# Altium PCB HGT-300.PcbDoc (part 1 of 3)
Units mil, origin at the board's own origin, x right, y up, seen from the top; angles counter-clockwise.
Board outline 10039.37 x 5590.55 mil, 2 copper layers (Top Layer, Bottom Layer); 434 components, 232 nets, 1287 pads, 266 vias.
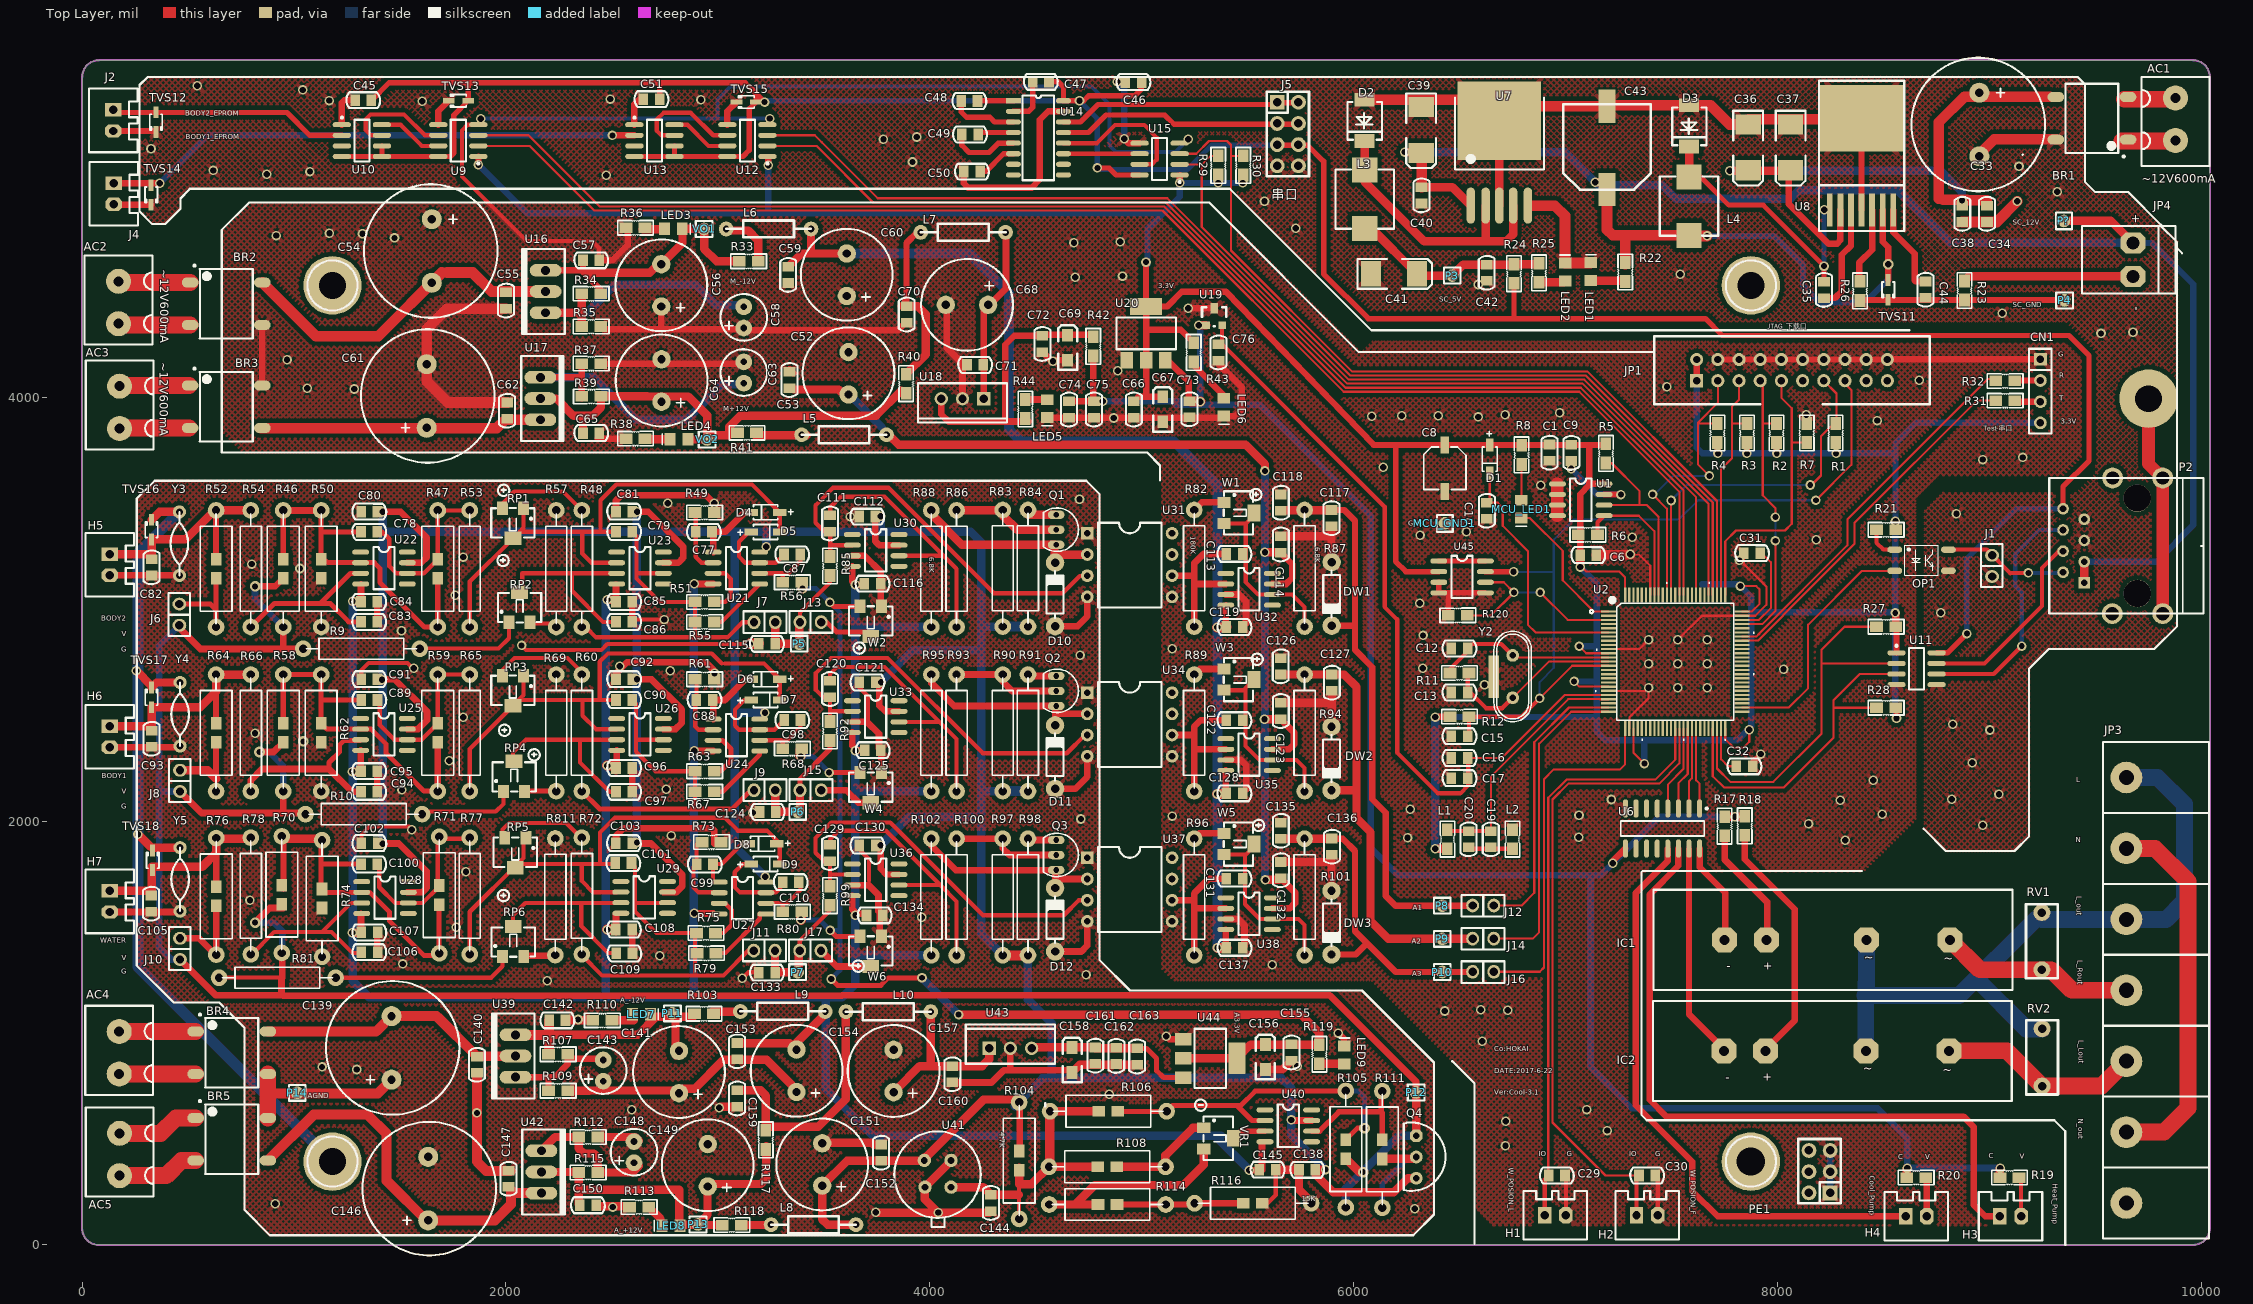
[diagram p0: Top Layer view]
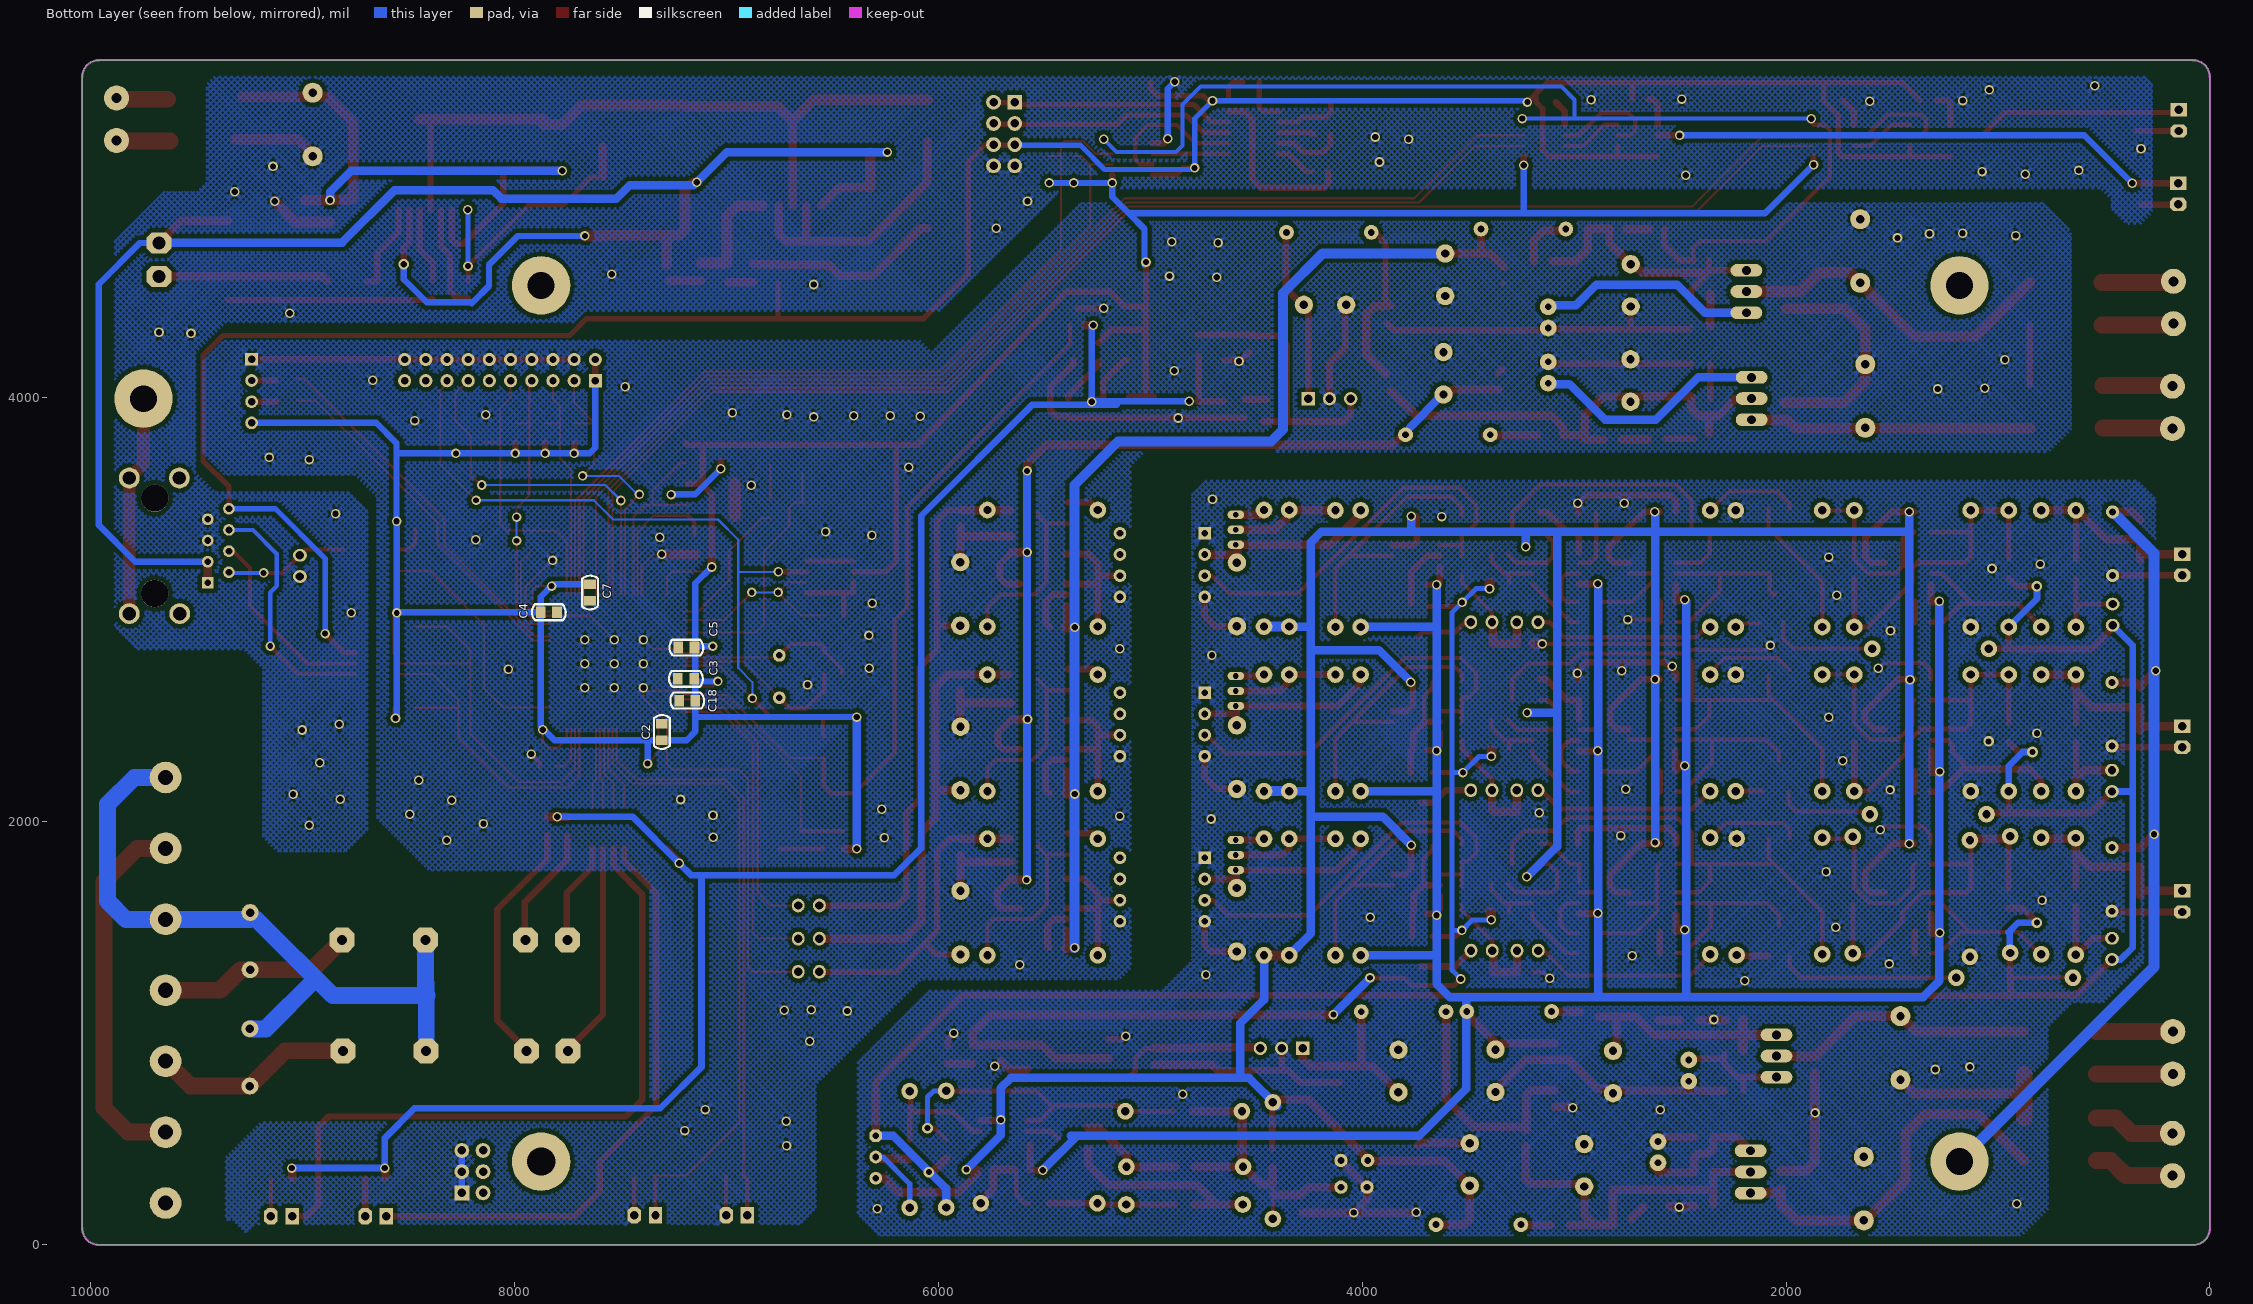
[diagram p1: Bottom Layer view, seen from below]

## Layer stack, top to bottom
Top Solder: solder mask 0.4, Solder Resist, Dk 3.5
Top Layer: signal copper 1.4
Dielectric1: dielectric 12.6, FR-4, Dk 4.8
Bottom Layer: signal copper 1.4
Bottom Solder: solder mask 0.4, Solder Resist, Dk 3.5

## Board outline
78.89,0 cw(c78.89,78.74) 0.15,78.74 0.15,5511.81 0.66,5511.81 cw(c78.89,5511.81) 78.89,5590.05 78.89,5590.55 9961.29,5590.55 9960.78,5590.05 cw(c9960.78,5511.81) 10039.01,5511.81 10039.52,5512.3 10039.52,78.74 10039.01,78.74 cw(c9960.78,78.74) 9960.78,0.51 9960.78,0

## Design rules (kind name [scope] priority, off if disabled: settings)
Clearance [All] p1: gap=8 ignorepadtopadclearanceinfootprint=FALSE
HoleSize [All] p1: absolutevalues=TRUE maxlimit=200 minlimit=1 maxpercent=80.000 minpercent=20.000
HoleToHoleClearance [All] p1: gap=0.39 allowstackedmicrovias=TRUE
MinimumSolderMaskSliver [All] p1: minsoldermaskwidth=0.39
NetAntennae [All] p1: netantennaetolerance=1
PolygonConnect [All] p1: connectstyle=Relief reliefconductorwidth=20 reliefentries=4 polygonreliefangle="45 Angle" airgapwidth=10
RoutingCorners [All] p1: cornerstyle=45-Degree minsetback=1 maxsetback=100
RoutingVias [All] p1: holewidth=45 width=60 viastyle="Through Hole" minholewidth=25 minwidth=40 maxholewidth=30 maxwidth=45
SilkToSilkClearance [All] p1: silktosilkclearance=0
SilkToSolderMaskClearance SilkscreenOverComponentPads [IsPad] p1: minsilkscreentomaskgap=0 clearancetoexposedcopper=TRUE
SolderMaskExpansion [All] p1: expansion=4
Width [All] p1: maxlimit=80 minlimit=8 preferedwidth=20 minimp=50.000000 maximp=50.000000 favimp=50.000000
23 further rules are at their usual default settings.

## Classes and differential pairs
component class UART: C45 C46 C47 C48 C49 C50 C51 CN1 J2 J4 J5 P2 R27 R28 R29 R30 R31 TVS12 TVS13 TVS14 TVS15 U9 U10 U11 U12 U13 U14 U15
component class ADC1: C99 C100 C101 C102 C103 C105 C106 C107 C108 C109 C110 D8 D9 H7 J10 J11 P7 R8? R70 R71 R72 R73 R74 R75 R76 R77 R78 R79 R80 R81 R811 RP5 RP6 TVS18 U27 U28 U29 Y5
component class ISOLATION: C111 C112 C113 C114 C115 c117 C118 C119 C120 C121 C122 C123 C124 C125 c127 C128 C129 C130 C131 C132 C133 C134 c135 C137 D10 D11 D12 DW1 DW2 DW3 J6 J7 J8 J9 J10 J17 P8 P9 P10 Q1 Q2 Q3 R82 R83 R84 R85 R86 R87 R88 R89 R90 R91 R92 R93 R94 R95 R96 R97 R98 R99 R100 R101 R102 U30 U31 U32 U33 U34 U35 U36 U37 U38 W1 W2 W3 W4 W5 W6
component class ADC2: C77 C78 C79 C80 C81 C82 C83 C84 C85 C86 C87 C88 C89 C90 C91 C92 C93 C94 C95 C96 C97 C98 D4 D5 D6 D7 H5 H6 J6 J7 J8 J9 P5 P6 R9 R10 R46 R47 R48 R49 R50 R51 R52 R53 R54 R55 R56 R57 R58 R59 R60 R61 R62 R63 R64 R65 R66 R67 R68 R69 RP1 RP2 RP3 RP4 TVS16 TVS17 U21 U22 U23 U24 U25 U26 Y3 Y4
component class CPU: C1 C2 C3 C4 C5 C6 C7 C8 C9 C10 C12 C13 C15 C16 C17 C18 C19 C20 C29 C30 C31 C32 D1 H1 H2 H3 H4 IC1 IC2 J1 JP1 JP3 L1 L2 MCU_LED1 OP1 PE1 R1 R2 R3 R4 R5 R6 R7 R8 R11 R12 R17 R18 R19 R20 R21 R120 RV1 RV2 U1 U2 U6 U45 Y2
component class POWER1: AC1 BR1 C33 C34 C35 C36 C37 C38 C39 C40 C41 C42 C43 C44 D2 D3 JP4 L3 L4 LED1 LED2 P3 P4 P? R21 R23 R24 R25 R26 TVS11 U7 U8
component class POWER2: AC2 AC3 BR2 BR3 C52 C53 C54 C55 C56 C57 C58 C59 C60 C61 C62 C63 C64 C65 C66 C67 C68 C69 C70 C71 C72 C73 C74 C75 C76 L5 L6 L7 LED3 LED4 LED5 LED6 MCU_GND1 R33 R34 R35 R36 R37 R38 R39 R40 R41 R42 R43 R44 U16 U17 U18 U19 U20 VO1 VO2
component class POWER3: AC4 AC5 BR4 BR5 C138 C139 C140 C141 C142 C143 C144 C145 C146 C147 C148 C149 C150 C151 C152 C153 C154 C155 C156 C157 C158 C159 C160 C161 C162 C163 L8 L9 L10 LED7 LED8 LED9 P11 P12 P13 P14 Q4 R103 R104 R105 R106 R107 R108 R109 R110 R111 R112 R113 R114 R115 R116 R117 R118 R119 U39 U40 U41 U42 U43 U44 VR1

## Components (designator, comment, footprint, x,y, rotation, side; value= is the part's Value field where it differs from the comment)
AC1 "~12V600mA" HEADER2 9877,5212 r90 top
AC2 "~12V600mA" HEADER2 172,4547 r270 top
AC3 "~12V600mA" HEADER2 177,4052 r270 top
AC4 "~12V300mA" HEADER2 175,1007 r270 top
AC5 "~12V300mA" HEADER2 177,527 r270 top
BR1 "*" DB157S 9483,5316 r180 top
BR2 "*" DB157S 680,4441 r0 top
BR3 "*" DB157S 680,3955 r0 top
BR4 "*" DB157S 706,907 r0 top
BR5 "*" DB157S 706,499 r0 top
C1 "104/0805" C0805 6926,3701 r90 top
C2 "104/0805" C0805 7302,2383 r90 bottom
C3 "104/0805" C0805 7153,2674 r0 bottom
C4 "104/0805" C0805 7875,2983 r180 bottom
C5 "104/0805" C0805 7151,2821 r0 bottom
C6 "104/0805" C0805 7069,3253 r0 top
C7 "104/0805" C0805 7645,3116 r270 bottom
C8 "4.7uF/16V" CAP5X5 6430,3665 r270 top
C9 "104/0805" C0805 7025,3775 r270 top
C10 "104/0805" C0805 6626,3502 r270 top
C12 "22p/0805" C0805 6536.53,2816.74 r180 top
C13 "22p/0805" C0805 6536.53,2609 r180 top
C15 "105/0805" C0805 6461.53,2398 r0 top
C16 "104/0805" C0805 6461.53,2295.74 r0 top
C17 "104/0805" C0805 6461.53,2200.74 r0 top
C18 "104/0805" C0805 7222,2566 r180 bottom
C19 "104/0805" C0805 6649,1877 r90 top
C20 "104/0805" C0805 6544,1877 r90 top
C29 "104/0805" C0805 6921,325.74 r0 top
C30 "104/0805" C0805 7346.83,325.74 r0 top
C31 "104/0805" C0805 7842,3262 r0 top
C32 "104/0805" C0805 7881,2261 r180 top
C33 "6800μF/50V/EC" RB.3/.6 8952,5287 r270 top
C34 "104/0805" C0805 8990,4828 r90 top
C35 "103/0805" C0805 8221,4469 r90 top
C36 "*" C6032 7862,5183 r90 top
C37 "*" C6032 8062,5183 r90 top
C38 "0.47uF/50V" C0805 8874,4828 r90 top
C39 "*" C6032 6319,5265 r90 top
C40 "0.47UF/50V" C0805 6322,4915 r90 top
C41 "*" C6032 6186,4583 r180 top
C42 "0.47UF/50V" C0805 6630,4550 r90 top
C43 "220UF/25V" C10X10 7195,4984 r0 top
C44 "0.47UF/50V" C0805 8696,4545 r270 top
C45 "104/0805" C0805 1289,5399 r0 top
C46 "104" C0805 4923,5485 r0 top
C47 "104" C0805 4561,5491 r180 top
C48 "104" C0805 4224,5400 r180 top
C49 "104" C0805 4227,5242 r180 top
C50 "104" C0805 4236,5067 r180 top
C51 "104/0805" C0805 2649,5404 r0 top
C52 "680μF/25V/EC" RB.2/.4 3616,4113 r270 top
C53 "104/0805" C0805 3340,4044 r90 top
C54 "3300μF/50V/CE" RB.3/.6 1650,4690 r270 top
C55 "104/0805" C0805 2002,4418.74 r90 top
C56 "470μF/25V/CE" RB.2/.4 2733,4528 r270 top
C57 "104/0805" C0805 2439.53,4648.74 r180 top
C58 "47μF/25V/CE" RB.1/.2 3122,4376.74 r90 top
C59 "104/0805" C0805 3334,4540 r90 top
C60 "680μF/25V/EC" RB.2/.4 3608,4578 r270 top
C61 "3300μF/50V/CE" RB.3/.6 1626,4006 r90 top
C62 "104/0805" C0805 2007.36,3899 r90 top
C63 "47μF/25V/CE" RB.1/.2 3122,4116.74 r90 top
C64 "470μF/25V/CE" RB.2/.4 2734,4079 r270 top
C65 "104/0805" C0805 2364.53,3828.74 r0 top
C66 "104/0805" C0805 4960,3979.74 r270 top
C67 "10UF/16V" C3216 5099,3942.74 r270 top
C68 "470μF/25V/EC" RB.2/.4 4175,4436 r0 top
C69 "10UF/16V" C3216 4650,4234 r270 top
C70 "104/0805" C0805 3893,4353 r90 top
C71 "104/0805" C0805 4251,4155 r180 top
C72 "104/0805" C0805 4529,4289 r270 top
C73 "2.2μF/0805/50V/B" C0805 5223,3981 r270 top
C74 "104/0805" C0805 4654.48,3979.74 r270 top
C75 "104/0805" C0805 4772.5,3979.74 r270 top
C76 "105/0805" C0805 5360,4249.01 r270 top
C77 "1nF/0805" C0805 2971.14,3367 r180 top
C78 "1nF/0805" C0805 1392,3367 r180 top
C79 "1nF/0805" C0805 2595,3367 r180 top
C80 "103/0805" C0805 1317.51,3458 r0 top
C81 "103/0805" C0805 2520,3458 r0 top
C82 "104/0805" C0805 330,3160 r90 top
C83 "104/0805" C0805 1392,2942 r180 top
C84 "103/0805" C0805 1392,3037 r180 top
C85 "103/0805" C0805 2595,3037 r180 top
C86 "104/0805" C0805 2595,2942 r180 top
C87 "1nF/0805" C0805 3313,3256 r0 top
C88 "1nF/0805" C0805 2974.53,2573.74 r180 top
C89 "1nF/0805" C0805 1392.51,2573.74 r180 top
C90 "1nF/0805" C0805 2595,2573.74 r180 top
C91 "103/0805" C0805 1317.51,2667 r0 top
C92 "103/0805" C0805 2520,2667 r0 top
C93 "104/0805" C0805 330,2351 r90 top
C94 "104/0805" C0805 1392,2141 r180 top
C95 "103/0805" C0805 1392,2238 r180 top
C96 "103/0805" C0805 2595,2253 r180 top
C97 "104/0805" C0805 2595,2141 r180 top
C98 "1nF/0805" C0805 3313.47,2475 r0 top
C99 "1nF/0805" C0805 2975.53,1798 r180 top
C100 "1nF/0805" C0805 1392,1798 r180 top
C101 "1nF/0805" C0805 2591,1804 r180 top
C102 "103/0805" C0805 1318,1894 r0 top
C103 "103/0805" C0805 2519,1894 r0 top
C105 "104/0805" C0805 328,1573 r90 top
C106 "104/0805" C0805 1393,1384 r180 top
C107 "103/0805" C0805 1393,1477 r180 top
C108 "103/0805" C0805 2594,1491 r180 top
C109 "104/0805" C0805 2596,1378 r180 top
C110 "1nF/0805" C0805 3306,1710 r0 top
C111 "47pF/0805" C0805 3527,3442 r270 top
C112 "104/0805" C0805 3742,3439 r180 top
C113 "103/0805" C0805 5399.51,3258.74 r0 top
C114 "104/0805" C0805 5653.27,3343 r270 top
C115 "104/0805" C0805 3269,2839 r180 top
C116 "104/0805" C0805 3692,3118 r0 top
C117 "104/0805" C0805 5893,3467 r270 top (schematic designator c117)
C118 "103/0805" C0805 5658.27,3465 r90 top
C119 "104/0805" C0805 5399.51,2913.74 r0 top
C120 "47pF/0805" C0805 3527,2661 r270 top
C121 "104/0805" C0805 3743,2657 r180 top
C122 "103/0805" C0805 5399.51,2473.74 r0 top
C123 "104/0805" C0805 5653.27,2557 r270 top
C124 "104/0805" C0805 3272,2045 r180 top
C125 "104/0805" C0805 3693,2332 r0 top
C126 "103/0805" C0805 5658,2693 r90 top
C127 "104/0805" C0805 5894,2691 r270 top (schematic designator c127)
C128 "104/0805" C0805 5399.51,2128.74 r0 top
C129 "47pF/0805" C0805 3527,1887 r270 top
C130 "104/0805" C0805 3743,1887 r180 top
C131 "103/0805" C0805 5399.51,1726.74 r0 top
C132 "104/0805" C0805 5654,1806 r270 top
C133 "104/0805" C0805 3269.1,1287.1 r180 top
C134 "104/0805" C0805 3702,1553 r0 top
C135 "104/0805" C0805 5658.27,1917 r90 top (schematic designator c135)
C136 "103/0805" C0805 5895,1917 r270 top
C137 "104/0805" C0805 5400,1400 r0 top
C138 "104/0805" C0805 5818,357 r180 top
C139 "3300μF/50V/CE" RB.3/.6 1460,930 r90 top
C140 "104/0805" C0805 1865,813 r90 top
C141 "470μF/25V/CE" RB.2/.4 2816,816 r270 top
C142 "104/0805" C0805 2280,1062.38 r180 top
C143 "47μF/25V/CE" RB.1/.2 2459,823 r90 top
C144 "104/0805" C0805 4286,236 r270 top
C145 "104/0805" C0805 5556,353 r0 top
C146 "3300μF/50V/CE" RB.3/.6 1633,266 r90 top
C147 "104/0805" C0805 2014,275 r90 top
C148 "47μF/25V/CE" RB.1/.2 2604,438 r90 top
C149 "470μF/25V/CE" RB.2/.4 2952,376 r270 top
C150 "104/0805" C0805 2349.09,185 r0 top
C151 "680μF/25V/EC" RB.2/.4 3492,380 r270 top
C152 "104/0805" C0805 3772,398 r90 top
C153 "104/0805" C0805 3093,877 r90 top
C154 "680μF/25V/EC" RB.2/.4 3371,822 r270 top
C155 "104/0805" C0805 5704,946 r270 top
C156 "10UF/16V" C3216 5583,887 r270 top
C157 "470μF/25V/EC" RB.2/.4 3829,821 r270 top
C158 "10UF/16V" C3216 4671,873 r270 top
C159 "104/0805" C0805 3093,654 r90 top
C160 "104/0805" C0805 4104,843 r270 top
C161 "104/0805" C0805 4778,931 r270 top
C162 "104/0805" C0805 4878,929.74 r270 top
C163 "104/0805" C0805 4976,927 r270 top
CN1 "SCREEN2" 4Pin-2.54 9240,4029 r90 top
D1 "DIODE" SOD123 6642,3775 r90 top
D2 "SK35" SMB-2 6050,5306 r90 top
D3 "SK35" SMB-2 7582,5280 r90 top
D4 "DIODE" SOD123 3292,3457 r0 top
D5 "DIODE" SOD123 3158,3364.5 r180 top
D6 "DIODE" SOD123 3292,2669.5 r0 top
D7 "DIODE" SOD123 3158,2571.24 r180 top
D8 "DIODE" SOD123 3278,1893 r0 top
D9 "DIODE" SOD123 3158,1797.5 r180 top
D10 "1N4150/J" DIODE0.2 4591,3069.74 r90 top
D11 "1N4150/J" DIODE0.2 4591,2302 r90 top
D12 "1N4150/J" DIODE0.2 4591,1534.74 r90 top
DW1 "3.3V/0.5W/DIODE0.2/J" DIODE0.2 5896,3071.94 r270 top
DW2 "3.3V/0.5W/DIODE0.2/J" DIODE0.2 5895,2295.44 r270 top
DW3 "3.3V/0.5W/DIODE0.2/J" DIODE0.2 5895,1520.94 r270 top
H1 "L_Wotor_Port" XH2 6901,140.74 r0 top
H2 "F_Wotor_Port" XH2 7334.33,140.74 r0 top
H3 "Heat_Port" XH2 9049,135 r0 top
H4 "Cool_Port" XH2 8604,135 r0 top
H5 "Body2_Sensor" XH2 131,3260 r270 top
H6 "Test_Sensor" XH2 131,2448 r270 top
H7 "Water_Sensor" XH2 131,1671 r270 top
IC1 "HHG1D-1/032F-38 5Z" HHG1-REALY 9108,1676 r180 top
IC2 "HHG1D-1/032F-38 5Z" HHG1-REALY 9105,1152 r180 top
J1 "CON2" 2Pin-2.54 9012,3154 r270 top
J2 "DATA_EEPROM" XH2 147,5356 r270 top
J4 "DATA_EEPROM" XH2 149,5010 r270 top
J5 "Header 4X2" IDC4*2 5780,5226 r180 top
J6 "CON2" 2Pin-2.54 459,2924 r270 top
J7 "CON2" 2Pin-2.54 3170,2938.5 r180 top
J8 "CON2" 2Pin-2.54 462,2140 r270 top
J9 "CON2" 2Pin-2.54 3170,2145.5 r180 top
J10 "CON2" 2Pin-2.54 462,1347 r270 top
J11 "CON2" 2Pin-2.54 3169,1389 r180 top
J12 "CON2" 2Pin-2.54 6661,1602 r0 top
J13 "CON2" 2Pin-2.54 3387,2939 r180 top
J14 "CON2" 2Pin-2.54 6661,1445.5 r0 top
J15 "CON2" 2Pin-2.54 3387,2145.5 r180 top
J16 "CON2" 2Pin-2.54 6661,1289 r0 top
J17 "CON2" 2Pin-2.54 3386,1389 r180 top
JP1 "JTAG" IDC20_A 7618,4078 r0 top
JP3 "L_N_Port" HEADER1x7 9646,1202 r0 top
JP4 "Screen_Power_Port" HEADER1X2B 9677,4648.74 r90 top
L1 "10uH/0805" L0805 6442,1869.53 r90 top
L2 "10uH/0805" L0805 6749,1959.47 r270 top
L3 "33UH" M-SMB7X7 6052,4935 r270 top
L4 "33UH" M-SMB7X7 7582,4902 r270 top
L5 "100μH/0.5W/J" AXIAL0.4#1 3395,3823 r270 top
L6 "100μH/0.5W/J" AXIAL0.4#1 3039,4794 r270 top
L7 "470μH/0.5W/J" AXIAL0.4#1 3957,4778 r270 top
L8 "100μH/0.5W/J" AXIAL0.4#1 3251,96 r270 top
L9 "100μH/0.5W/J" AXIAL0.4#1 3106,1102 r270 top
L10 "470μH/0.5W/J" AXIAL0.4#1 3604,1101 r270 top
LED1 "LED0805" LED_0805 7119,4598 r90 top
LED2 "LED0805" LED_0805 6997,4596 r90 top
LED3 "-12v_Green" LED_0805 2794.6,4795 r0 top
LED4 "+12_Green" LED_0805 2811.98,3802.26 r180 top
LED5 "LED0805" LED_0805 4554.02,3941.21 r270 top
LED6 "LED0805" LED_0805 5387.5,3948.21 r270 top
LED7 "-12v_Green" LED_0805 2644,1089 r0 top
LED8 "+12_Green" LED_0805 2774,91 r180 top
LED9 "LED0805" LED_0805 5956,902 r90 top
MCU_GND1 "MCU_GND" TESTSMD 6430,3405 r90 top
MCU_LED1 "LED0805" LED_0805 6791,3467 r270 top
OP1 "TLP280-1" SOP4 8552.81,3281 r0 top
P2 "Header 4X2" RJ45 9447,3124 r270 top
P3 "SC_5V" TESTSMD 6465,4574 r0 top